# Altium PCB DemoCatV3.PcbDoc (continued)
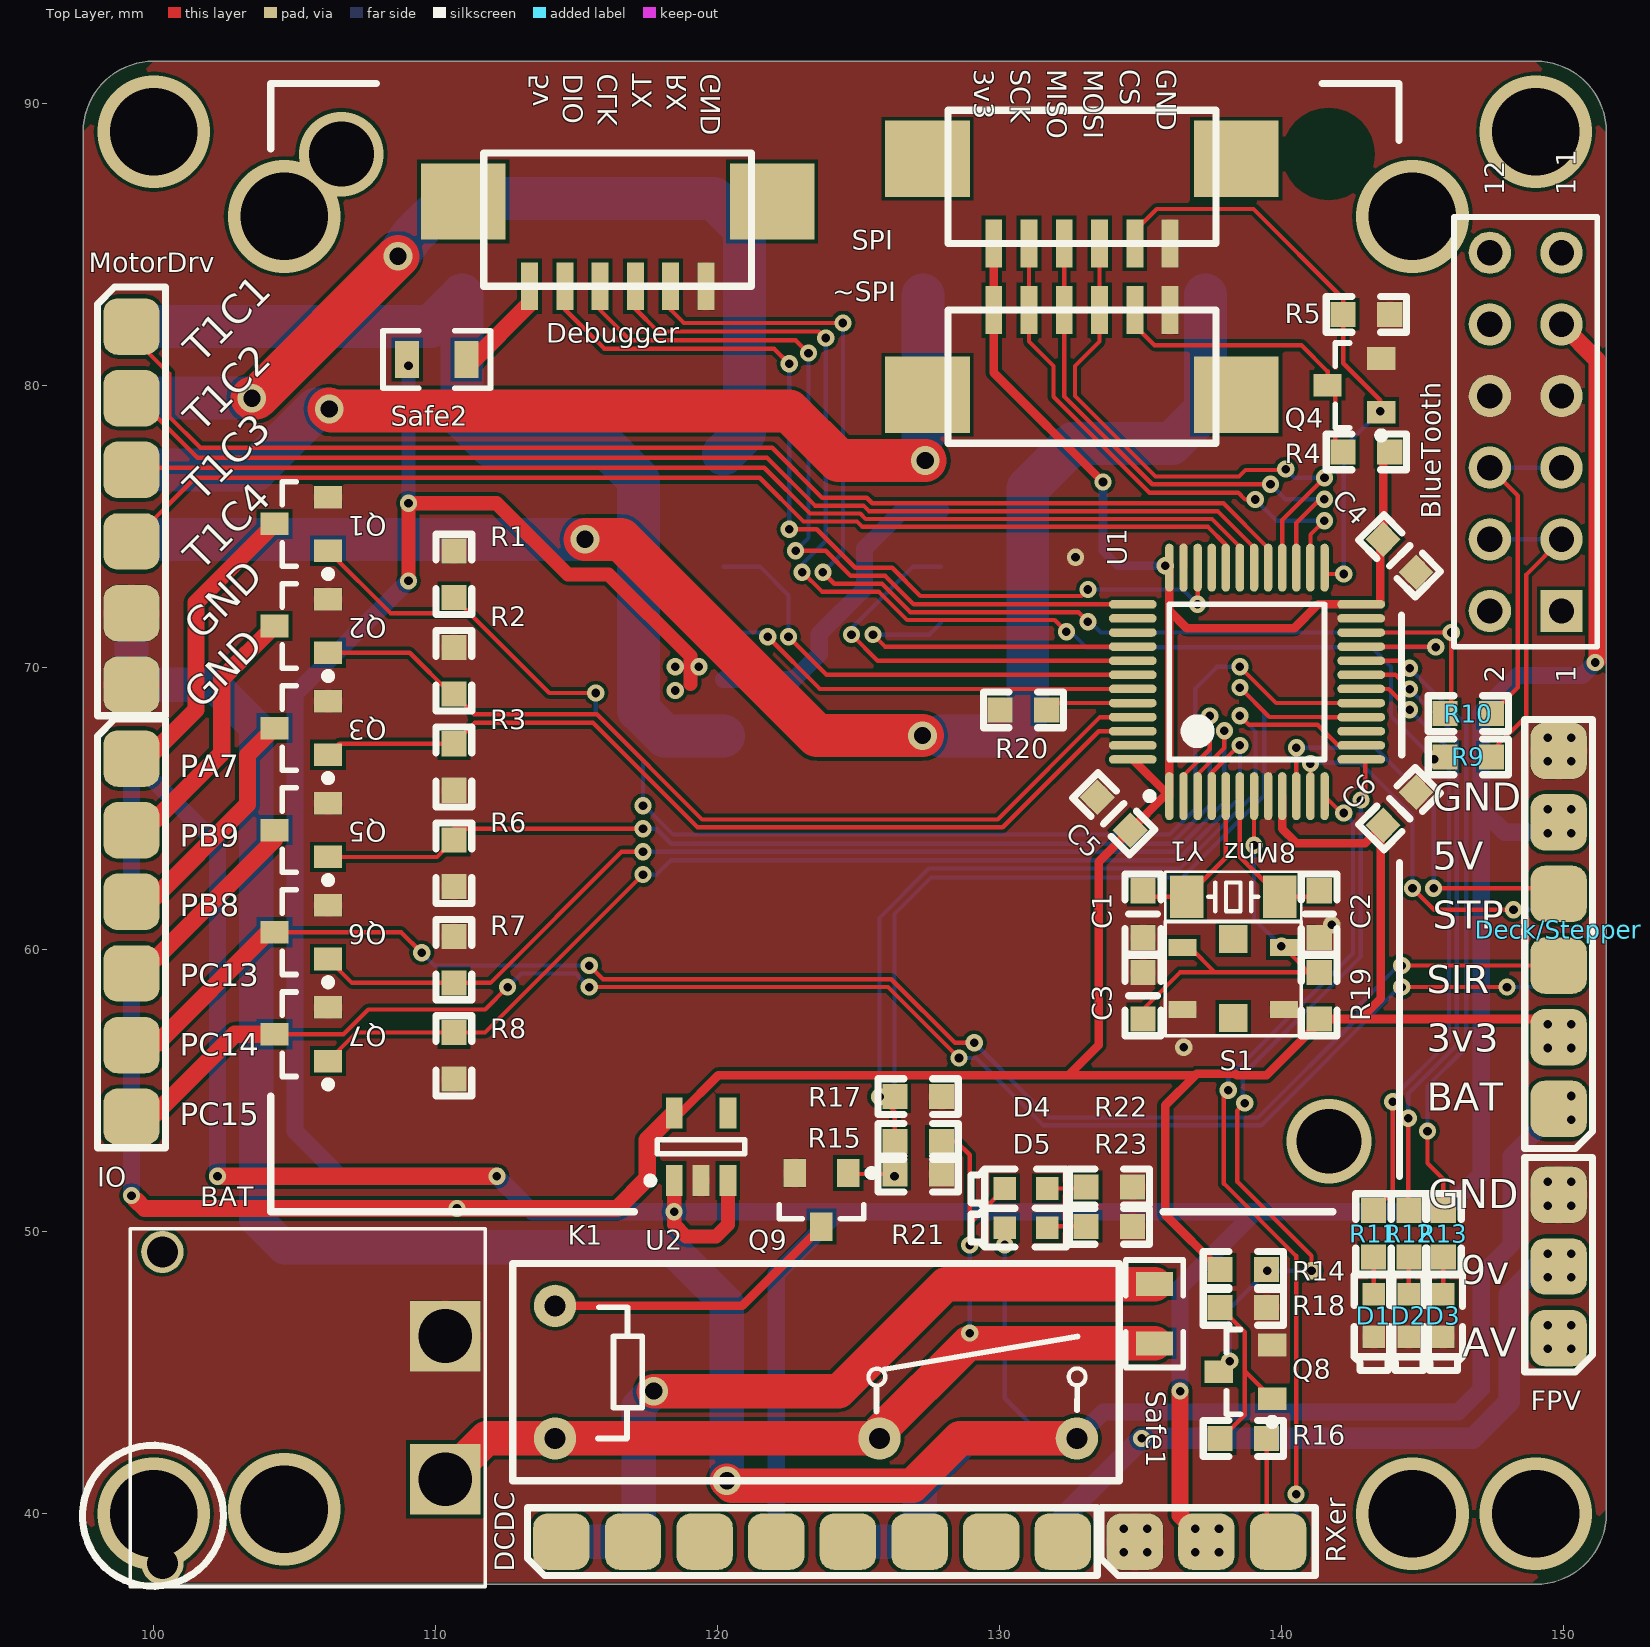
[diagram p0: Top Layer view]
## Footprints (in the part's own frame and the unit in brackets; to place one, negate y for a bottom-side part, rotate by r counter-clockwise, add the part's x,y. Pads: shape width x height; smd on the part's side, far side on the other; paste and mask are expansions set on the pad)
0603C [mil]
  rect 35x35 smd: 1(-32.5,0) 2(32.5,0)
  silkscreen extent -56,-25 56,25, body extent -31,-16 31,15, height 18
"0603LED - Blue" [mm]
  rect 0.8x0.8 smd: 1(-0.762,0) 2(0.738,0)
  silkscreen extent -1.45,-0.69 1.93,0.69, body extent -0.8,-0.4 0.8,0.4, height 0.6
"0603LED - Green" [mm]
  rect 0.8x0.8 smd: 1(-0.762,0) 2(0.738,0)
  silkscreen extent -1.45,-0.69 1.93,0.69, body extent -0.8,-0.4 0.8,0.4, height 0.6
"0603LED - Red" [mm]
  rect 0.8x0.8 smd: 1(-0.762,0) 2(0.738,0)
  silkscreen extent -1.45,-0.69 1.93,0.69, body extent -0.8,-0.4 0.8,0.4, height 0.6
0603R [mil]
  rect 35x35 smd: 1(-32.5,0) 2(32.5,0)
  silkscreen extent -56,-25 56,25, body extent -31,-16 31,16, height 16
0805R [mm] "Chip Resistor, 2-Leads, Body 2.00x1.25mm, IPC Medium Density"
  rect 0.85x1.3 smd: 1(-1.05,0) 2(1.05,0)
  silkscreen extent -1.91,-1.02 1.91,1.02, body extent -1,-0.63 1,0.63, height 0.5
GX1.25_T_6P [mm]
  rect 3x2.7 smd: 0(-5.475,3) 0(5.475,3)
  rect 0.6x1.7 smd: 1(-3.125,0) 2(-1.875,0) 3(-0.625,0) 4(0.625,0) 5(1.875,0) 6(3.125,0)
  silkscreen extent -4.75,0 4.75,4.72, body extent -6.07,-0.58 6.18,4.47, height 3.71
HDR2X6 [mm] "Connector; Header; 6x2 Position"
  rect 1.5x1.5 hole 0.9: 1(0,0)
  round 1.5 hole 0.9: 2(0,2.54) 3(2.54,0) 4(2.54,2.54) 5(5.08,0) 6(5.08,2.54) 7(7.62,0) 8(7.62,2.54) 9(10.16,0) 10(10.16,2.54) 11(12.7,0) 12(12.7,2.54)
  silkscreen extent -1.27,-1.27 13.97,3.81
HDR_EDGE_2x3 [mm]
  rrect50% 2x2 smd: 1(0,0) 2(0,-2.54) 3(0,-5.08)
  rrect50% 2x2 smd far side: 4(0,0) 5(0,-2.54) 6(0,-5.08)
  silkscreen extent -1.2,-6.4 1.2,1.2, body extent -10.37,-6.3 1.17,1.2, height 2.5
HDR_EDGE_2x6 [mm]
  rrect50% 2x2 smd: 1(0,0) 2(0,-2.54) 3(0,-5.08) 4(0,-7.62) 5(0,-10.16) 6(0,-12.7)
  rrect50% 2x2 smd far side: 7(0,0) 8(0,-2.54) 9(0,-5.08) 10(0,-7.62) 11(0,-10.16) 12(0,-12.7)
  silkscreen extent -1.2,-13.8 1.2,1.4, body extent -10.34,-13.7 1.2,1.3, height 2.5
HDR_EDGE_2x8 [mm]
  rrect50% 2x2 smd: 1(0,0) 2(0,-2.54) 3(0,-5.08) 4(0,-7.62) 5(0,-10.16) 6(0,-12.7) 7(0,-15.24) 8(0,-17.78)
  rrect50% 2x2 smd far side: 9(0,0) 10(0,-2.54) 11(0,-5.08) 12(0,-7.62) 13(0,-10.16) 14(0,-12.7) 15(0,-15.24) 16(0,-17.78)
  silkscreen extent -1.2,-19 1.2,1.2, body extent -10.34,-18.8 1.2,1.2, height 2.5
KeySwitch-3X3 [mm]
  rect 1x0.6 smd: 1(-1.8,1.1) 1(1.8,1.1) 2(-1.8,-1.1) 2(1.8,-1.1)
  rect 1x1 smd: 3(0,-1.4) 3(0,1.4)
  silkscreen extent -2.41,-2.03 2.41,2.03, body extent -2.06,-1.65 2.06,1.65, height 1.3
LQFN-48 [mm]
  oval 1.7x0.3 smd: 1(-4.05,2.75) 2(-4.05,2.25) 3(-4.05,1.75) 4(-4.05,1.25) 5(-4.05,0.75) 6(-4.05,0.25) 7(-4.05,-0.25) 8(-4.05,-0.75) 9(-4.05,-1.25) 10(-4.05,-1.75) 11(-4.05,-2.25) 12(-4.05,-2.75) 25(4.05,-2.75) 26(4.05,-2.25) 27(4.05,-1.75) 28(4.05,-1.25) 29(4.05,-0.75) 30(4.05,-0.25) 31(4.05,0.25) 32(4.05,0.75) 33(4.05,1.25) 34(4.05,1.75) 35(4.05,2.25) 36(4.05,2.75)
  oval 0.3x1.7 smd: 13(-2.75,-4.05) 14(-2.25,-4.05) 15(-1.75,-4.05) 16(-1.25,-4.05) 17(-0.75,-4.05) 18(-0.25,-4.05) 19(0.25,-4.05) 20(0.75,-4.05) 21(1.25,-4.05) 22(1.75,-4.05) 23(2.25,-4.05) 24(2.75,-4.05) 37(2.75,4.05) 38(2.25,4.05) 39(1.75,4.05) 40(1.25,4.05) 41(0.75,4.05) 42(0.25,4.05) 43(-0.25,4.05) 44(-0.75,4.05) 45(-1.25,4.05) 46(-1.75,4.05) 47(-2.25,4.05) 48(-2.75,4.05)
  silkscreen extent -4.17,-2.75 2.75,3.57, body extent -4.5,-4.58 4.5,4.42, height 1.6
"OSC 3215-2P" [mm]
  rect 1.2x1.5 smd: 1(-1.65,0) 2(1.65,0)
  silkscreen extent -2.41,-0.89 2.41,0.89, body extent -1.47,-0.76 1.73,0.74, height 0.61
PH-PS-2.0-6 [mm]
  rect 1.2x4 smd: 0(0.8,-1.6) 0(15.2,-1.6)
  rect 1.2x3.5 smd: 1(3,-7.35) 2(5,-7.35) 3(7,-7.35) 4(9,-7.35) 5(11,-7.35) 6(13,-7.35)
  silkscreen extent 0,-6.9 16,0, body extent 0,-8.51 16,-0.18, height 15.3
RY-HF46-HS1 [mm]
  round 1.5 hole 0.75: 2(4.7,18.5) 3(4.7,11.5) 4(0,0) 5(4.7,0)
  silkscreen extent -1.5,-1.5 6.2,20, body extent -1.13,-1.11 5.97,19.39, height 15.3
SOT-23-5 [mm] "SOT23, 5-Leads, Body 2.90x2.80mm, Pitch 0.95mm, IPC Medium Density"
  rect 1.1x0.6 smd: 1(-1.2,0.95) 2(-1.2,0) 3(-1.2,-0.95) 4(1.2,-0.95) 5(1.2,0.95)
  silkscreen extent -1.32,-1.55 0.25,1.92, body extent -1.25,-1.53 1.25,1.47, height 1.05
SOT-23-MOS [mm] "SOT23, 3-Leads, Body 2.90x2.45mm, Pitch 0.95mm, IPC Medium Density"
  rect 1x0.8 smd: 1(0.95,0) 2(-0.95,0.95) 3(-0.95,-0.95)
  silkscreen extent -1.08,-1.5 0.67,1.9, body extent -1.33,-1.47 1.17,1.53, height 1.05
XT30-IN-W [mm]
  round 1.5 hole 1.1: 0(-5.525,10.033) 0(5.524,10.033)
  rect 2.5x2.5 hole 1.9: 1(-2.54,0) 2(2.54,0)
  silkscreen extent -6.35,-1.42 6.35,11.18, body extent -6.62,-0.99 6.68,12.96, height 5

## Part data
BAT: library part "Header 2", "Header, 2-Pin", LatestRevisionDate=17-Jul-2002, LatestRevisionNote="Re-released for DXP Platform.", Publisher="Altium Limited"
BlueTooth Deck/Stepper IO MotorDrv: "Header, 6-Pin, Dual row", LatestRevisionDate=17-Jul-2002, LatestRevisionNote="Re-released for DXP Platform.", Publisher="Altium Limited"
C1 C2 C3 C4 C5 C6: "Capacitor", LatestRevisionDate=17-Jul-2002, LatestRevisionNote="Re-released for DXP Platform.", PackageDescription="Radial Cap, Thru-Hole; 2 Leads; 0.3 in Pin Spacing", PackageReference=RAD-0.3, Published=8-Jun-2000, Publisher="Altium Limited"
D1 D2 D3 D4 D5: "Typical INFRARED GaAs LED", LatestRevisionDate=08-Jul-2005, LatestRevisionNote="Mech Layer 1 removed.", PackageDescription="LED; 2 Leads", PackageReference=LED-0, Published=8-Jun-2000, Publisher="Altium Limited"
DCDC: "Header, 8-Pin, Dual row", LatestRevisionDate=17-Jul-2002, LatestRevisionNote="Re-released for DXP Platform.", Publisher="Altium Limited"
Debugger Motor1 Motor2 Motor3 Motor4 SPI ~SPI: "Header, 6-Pin", LatestRevisionDate=17-Jul-2002, LatestRevisionNote="Re-released for DXP Platform.", Publisher="Altium Limited"
FPV RXer: "Header, 3-Pin, Dual row", LatestRevisionDate=17-Jul-2002, LatestRevisionNote="Re-released for DXP Platform.", Publisher="Altium Limited"
K1: "SPDT Relay", LatestRevisionDate=17-Jul-2002, LatestRevisionNote="Re-released for DXP Platform.", PackageReference=MODULE5B, Published=8-Jun-2000, Publisher="Altium Limited"
Q1 Q2 Q3 Q4 Q5 Q6 Q7 Q8 Q9: library part MOSFET-N, "N-Channel MOSFET", LatestRevisionDate=17-Jul-2002, LatestRevisionNote="Re-released for DXP Platform.", PackageDescription="TO, Flat Index; 3 In-Line, Axial Leads; Body Dia. 4.6mm; Lead Dia. 0.5 mm (max)", PackageReference=E3, PackageVersion=1995/1996, Published=8-Jun-2000, Publisher="Altium Limited"
R1 R2 R3 R4 R5 R6 R7 R8 R9 R10 R14 R15 R16 R17 R18 R20 R21 Safe1 Safe2: "Resistor", LatestRevisionDate=17-Jul-2002, LatestRevisionNote="Re-released for DXP Platform.", PackageDescription="Axial Device, Thru-Hole; 2 Leads; 0.4 in Pin Spacing", PackageReference=AXIAL-0.4, Published=8-Jun-2000, Publisher="Altium Limited"
R11 R12 R13 R19 R22 R23: library part Res2, "Resistor", LatestRevisionDate=17-Jul-2002, LatestRevisionNote="Re-released for DXP Platform.", PackageDescription="Axial Device, Thru-Hole; 2 Leads; 0.4 in Pin Spacing", PackageReference=AXIAL-0.4, Published=8-Jun-2000, Publisher="Altium Limited"
S1: "Switch", LatestRevisionDate=17-Jul-2002, LatestRevisionNote="Re-released for DXP Platform.", PackageDescription="Switch; 2 Leads", PackageReference=SPST-2, Published=24-Mar-1999, Publisher="Altium Limited"
U1: "ARM Cortex-M3 32-bit MCU, 64 KB Flash, 8 KB Internal RAM, 37 I/Os, 48-pin LQFP, -40 to 85 degC, Tray", I/Os (High Current)=37, Operating Frequency(F) (Processor speed) (MHz)=24, Supplier Part Number 1=497-10499-ND, Supply Voltage(Vcc) min (V)=2, A/D Converter="1x12-bit (10 Channel)", ComponentLink1Description="Manufacturer URL", ComponentLink1URL=http://www.st.com/web/en/home.html, ComponentLink2Description=Datasheet, ComponentLink2URL=http://www.st.com/st-web-ui/static/active/en/resource/technical/document/datasheet/CD00251732.pdf, ComponentLink3Description="Package Specification", ComponentLink3URL=http://www.st.com/st-web-ui/static/active/en/resource/technical/document/datasheet/DM00058181.pdf, Core="ARM Cortex-M3", D/A Converter="2x12-bit (2 Channel)", DatasheetVersion="Rev. 7", FLASH Size (Prog) (kB)=64, Internal RAM Size (kB)=8, Mounting Technology="Surface Mount", PackageDescription="48-Pin Low Profile Quad Flat Package, 7 x 7 mm Body, 0.5 mm Pitch", PackageReference=LQFP48, PackageVersion="Rev. 6, 06/2013", Packing=Tray, PartNumber=STM32F100C8T6B, Supplier 1=Digi-Key, Supplier 2=Farnell, Supplier 3=Newark, Supplier 4=Mouser, Supplier Part Number 2=1838511, Supplier Part Number 3=76R0988, Supplier Part Number 4=511-STM32F100C8T6B
U2: library part RT9013, "3.3V 500mA"
Y1: library part XTAL, LatestRevisionDate=17-Jul-2002, LatestRevisionNote="Re-released for DXP Platform.", PackageDescription="Crystal, Thru-Hole; 2 Leads; Body 3.1 x 8.2 mm (Dia.xH)", PackageReference=R38, Published=8-Jun-2000, Publisher="Altium Limited"

## Via types
v1: diameter 0.61, hole 0.305, Top Layer to Bottom Layer, tented both sides, 126 vias
v2: diameter 1.016, hole 0.61, Top Layer to Bottom Layer, tented both sides, 8 vias
v3: diameter 4/1.27 (per signal layer), hole 3.1, Top Layer to Bottom Layer, 4 vias
v4: diameter 4, hole 3.1, Top Layer to Bottom Layer, 4 vias
v5: diameter 3, hole 2.3, Top Layer to Bottom Layer, 2 vias

## Nets (pads, with @x,y where several pads share a name; then routed paths per layer and width w, separated by ;. In a path a pad name is that pad's centre, name@x,y a point inside that pad or via, vN(x,y) a via of type N, cw(c..) or ccw(c..) an arc to the next point about the centre after c; other vN are vias at no path point)
3v3: C4.2 C5.2 C6.2 Deck/Stepper.2 Deck/Stepper.8 IO.10 IO.11 IO.12 R4.2 R14.2 R19.2 SPI.1 U1.1 U1.9 U1.24 U1.36 U1.48 U2.5 ~SPI.6 | length 131.8
  Top Layer w0.305: U2.5 118.679,54.214 120.015,55.55 132.436,55.55 ; SPI.1 ~SPI.6 129.783,80.453 v1(133.655,76.581) ; U1.48 U1.1 ; U1.36 136.01,72.016 ; R14.2 135.865,50.601 135.865,54.483 136.931,55.55 ; U1.9 140.01,64.282 140.513,63.779 142.951,63.779 C6.2@143.51,64.338 ; 142.875,57.544 Deck/Stepper.2@149.161,57.544 ; C4.2@143.485,74.574 143.485,72.244 U1.24 141.282,72.244 140.437,71.399 136.627,71.399 136.01,72.016 ; C6.2 C6.2@143.51,64.338 ; C4.2 143.587,77.413 R4.2 ; 132.436,55.55 136.931,55.55 ; 132.436,55.55 133.502,56.617 133.502,63.12 C5.2 135.827,65.444 U1.1 ; U1.1 136.01,72.016 ; 136.931,55.55 136.982,55.601 138.34,55.601 138.391,55.55 139.457,55.55 141.322,57.415 R19.2 142.775,57.544 143.51,58.279 C6.2@143.51,64.338
  Top Layer w0.61: v1@99.365,51.13 99.67,50.825 v1(110.752,50.825) 116.434,50.825 117.5,51.892 117.5,53.259 U2.5
  Bottom Layer w0.305: v1(133.655,76.581) 133.655,74.143 134.188,73.609 v1(135.865,73.609)
  Bottom Layer w0.61: v1(99.212,51.283) IO.12 IO.11 IO.10
  other v1: 149.417,56.515 150.256,56.515 149.417,57.353 150.256,57.353
5v: BlueTooth.9 DCDC.12 Deck/Stepper.5 Deck/Stepper.11 IO.7 IO.8 IO.9 Motor2.5 Motor4.5 RXer.2 RXer.5 Safe2.1 U2.1 U2.3 | length 195.8
  Top Layer w0.5: v1(109.033,73.076) v1(109.033,75.828) 112.157,75.828 114.681,73.304 116.129,73.304 119.024,70.409 119.024,69.418 ; U2.1 118.455,50.251 118.872,49.835 119.939,49.835 120.355,50.251 U2.3
  Top Layer w0.61: v1(102.26,51.968) v1(112.166,51.968) ; v1(136.388,44.348) 136.388,39.949 RXer.2 ; BlueTooth.9 151.181,80.899 151.181,70.256 v1(151.105,70.18)
  Bottom Layer w0.5: v1(109.033,75.828) v1(109.033,80.696)
  Bottom Layer w0.61: IO.9 IO.8 IO.7 102.26,63.729 v1(102.26,51.968) ; v1(109.033,73.076) 105.004,69.047 105.004,53.569 106.604,51.968 v1(112.166,51.968) 113.428,50.707 v1(118.449,50.707) 124.282,50.707 ; Motor4.5 122.697,69.581 123.596,70.481 123.596,71.196 125.197,72.796 125.197,74.219 126.559,75.581 Motor2.5 ; DCDC.12 122.072,48.497 124.282,50.707 ; v1(136.388,44.348) 136.388,48.03 139.065,50.707 ; 147.18,64.884 147.904,64.16 Deck/Stepper.11@149.454,64.16 ; v1(151.105,70.18) 150.647,69.723 148.361,69.723 147.066,68.428 147.066,52.045 145.728,50.707 139.065,50.707 ; 124.282,50.707 139.065,50.707
  other v1: 136.931,38.633 137.77,38.633 136.931,39.472 137.77,39.472 149.417,64.135 150.256,64.135 149.417,64.973 150.256,64.973 118.491,69.19 118.491,70.028 119.329,70.028
9v: DCDC.16 FPV.2 FPV.5 | length 24.4
  Bottom Layer w0.762: DCDC.16 132.232,39.878 v1(135.026,42.672) 146.761,42.672 148.057,43.967 148.057,47.777 149.047,48.768 FPV.5
  other v1: 149.417,48.387 150.256,48.387 149.417,49.225 150.256,49.225
ADC1_4: R15.1 R17.2 U1.14 | length 31
  Top Layer w0.152: v1(125.73,54.788) 126.276,54.242 R15.1 ; v1(138.51,68.291) 138.831,67.97 141.27,67.97 141.996,67.244 U1.14
  Bottom Layer w0.152: v1(125.73,54.788) 125.73,61.127 127.478,62.875 136.388,62.875 139.065,65.552 139.065,67.736 v1(138.51,68.291)
AV: FPV.1 FPV.4
  other v1: 149.417,45.847 150.256,45.847 149.417,46.685 150.256,46.685
Drv_BAT: D5.2 DCDC.13 DCDC.14 Deck/Stepper.1 Deck/Stepper.7 K1.2 MotorDrv.11 MotorDrv.12 | length 107.4
  Top Layer w0.152: v1@130.174,49.606 D5.2
  Top Layer w1.219: v2(120.32,41.172) 120.496,40.996 126.9,40.996 128.576,42.672 K1.2
  Bottom Layer w0.152: v1@130.174,49.606 v1(130.174,49.53) 130.174,44.096 131.597,42.672
  Bottom Layer w0.61: K1.2 133.67,43.612 146.253,43.612 147.066,44.425 147.066,48.463 148.133,49.53 148.133,52.68 Deck/Stepper.7
  Bottom Layer w1.219: MotorDrv.11 MotorDrv.12 102.133,69.393 103.632,67.894 103.632,50.444 104.623,49.454 118.339,49.454 120.32,47.473 v2(120.32,41.172) ; DCDC.13 DCDC.14 127.152,41.046 128.778,42.672 131.597,42.672 K1.2
  other v1: 150.256,53.975 150.256,54.813
Drv_EN: Q9.2 R21.2 U1.16 | length 34.7
  Top Layer w0.152: Q9.2 124.654,52.049 R21.2@126.263,52.049 ; v1(138.51,69.291) 139.552,68.25 141.386,68.25 141.391,68.244 U1.16
  Bottom Layer w0.152: v1(126.263,51.968) 126.263,61.265 127.559,62.56 136.469,62.56 139.37,65.461 139.37,68.432 v1(138.51,69.291)
GND: BAT.2 BlueTooth.7 BlueTooth.8 C1.1 C2.1 C3.1 C4.1 C5.1 C6.1 D1.2 D2.2 D3.2 DCDC.11 DCDC.15 Debugger.6 Deck/Stepper.6 Deck/Stepper.12 FPV.3 FPV.6 Motor2.2 Motor4.2 MotorDrv.5 MotorDrv.6 Q1.3 Q2.3 Q3.3 Q4.3 Q5.3 Q6.3 Q7.3 Q8.3 Q9.3 R1.1 R2.1 R3.1 R5.1 R6.1 R7.1 R8.1 R17.1 R18.1 R20.1 R21.1 R22.1 R23.1 RXer.1 RXer.4 S1.2 SPI.6 U1.8 U1.23 U1.35 U1.47 U2.2 ~SPI.1
  other v1: 134.391,38.633 135.23,38.633 134.391,39.472 135.23,39.472 149.417,50.927 150.256,50.927 149.417,51.765 150.256,51.765 136.518,56.54 141.766,60.884 149.417,66.675 150.256,66.675 149.417,67.513 150.256,67.513 132.681,73.914
MH1: Motor1.1 Motor2.1 MotorDrv.10 | length 53.9
  Top Layer w1.524: v2(115.291,74.549) 116.561,74.549 123.52,67.589 v2(127.254,67.589)
  Bottom Layer w1.524: MotorDrv.10 99.289,74.549 v2(115.291,74.549) ; Motor2.1 130.218,67.581 130.988,68.351 130.988,76.352 132.588,77.953 136.093,77.953 137.282,79.142 Motor1.1
MH2: Motor3.6 Motor4.6 MotorDrv.7 | length 35.2
  Bottom Layer w1.524: MotorDrv.7 109.82,82.093 Motor3.6 110.938,78.876 111.938,77.876 115.976,77.876 117.196,76.657 117.196,68.504 118.118,67.581 Motor4.6
ML1: Motor1.6 Motor2.6 MotorDrv.9 | length 34.8
  Top Layer w1.524: v2(106.223,79.172) 106.299,79.096 122.53,79.096 124.282,77.343 v2(127.354,77.343)
  Bottom Layer w1.524: MotorDrv.9 103.607,77.013 105.766,79.172 v2(106.223,79.172) ; 127.282,78.204 Motor1.6
ML2: Motor3.1 Motor4.1 MotorDrv.8 | length 33.5
  Top Layer w1.524: v2(103.48,79.553) 103.632,79.553 v2(108.661,84.582)
  Bottom Layer w1.524: MotorDrv.8 v2(103.48,79.553) ; v2(108.661,84.582) 109.118,85.268 110.49,86.639 119.851,86.639 120.938,85.553 Motor3.1 120.938,78.317 Motor4.1
NetC1_2: C1.2 U1.5 Y1.2 | length 5.8
  Top Layer w0.152: C1.2 135.289,61.875 Y1.2 138.01,63.262 U1.5
NetC2_2: C2.2 U1.6 Y1.1 | length 5.6
  Top Layer w0.152: U1.6 138.502,65.436 138.502,63.297 Y1.1 141.107,61.875 C2.2
NetC3_2: C3.2 R19.1 S1.1 U1.7 | length 15.6
  Top Layer w0.152: C3.2 135.073,57.883 136.385,59.195 137.63,59.195 ; S1.1@136.474,60.079 136.746,60.079 137.63,59.195 ; v1(139.01,63.703) U1.7 ; S1.1@140.074,60.079 R19.1@140.958,59.195 ; R19.1 R19.1@140.958,59.195 ; 137.63,59.195 R19.1@140.958,59.195
  Bottom Layer w0.152: v1(139.01,63.703) 139.01,61.091 v1(139.979,60.122)
NetD1_1: D1.1 R11.2 | length 1.3
  Top Layer w0.152: D1.1 R11.2
NetD2_1: D2.1 R12.2 | length 1.3
  Top Layer w0.152: D2.1 R12.2
NetD3_1: D3.1 R13.2 | length 1.3
  Top Layer w0.152: D3.1 R13.2
NetD4_1: D4.1 R22.2 | length 1.4
  Top Layer w0.152: D4.1 133.007,51.533 R22.2
NetD5_1: D5.1 R23.2 | length 1.4
  Top Layer w0.152: D5.1 131.724,50.19 R23.2
NetDCDC_9: DCDC.9 DCDC.10 Safe1.2 | length 27.5
  Top Layer w1.219: v2(117.729,44.348) 124.282,44.348 128.075,48.142 Safe1.2
  Bottom Layer w1.219: DCDC.9 DCDC.10 117.196,39.218 117.196,43.815 v2(117.729,44.348)
NetDebugger_1: Debugger.1 Safe2.2 | length 3.6
  Top Layer w0.61: Safe2.2@111.235,80.809 113.324,82.897 Debugger.1
NetK1_4: K1.4 Q9.1 | length 10.6
  Top Layer w0.305: K1.4 120.864,47.372 Q9.1
NetQ8_2: Q8.2 R16.1 R18.2 | length 6.8
  Top Layer w0.152: R16.1 137.854,42.672 138.681,43.499 138.681,45.061 ; R18.2 138.681,46.446 138.681,45.061 ; Q8.2 138.681,45.061
NetR11_1: R11.1 U1.18 | length 21.5
  Top Layer w0.152: U1.18 143.785,69.244 v1(144.526,68.504) ; R11.1 143.932,51.43 v1(143.932,54.61)
  Bottom Layer w0.152: v1(143.932,54.61) 143.861,54.681 145.923,56.743 145.923,67.107 v1(144.526,68.504)
NetR12_1: R12.1 U1.19 | length 21.8
  Top Layer w0.152: U1.19 144.022,69.744 v1(144.526,69.24) ; v1(144.475,54.026) 144.475,50.775 R12.1
  Bottom Layer w0.152: v1(144.475,54.026) 144.475,54.9 146.202,56.627 146.202,67.564 v1(144.526,69.24)
NetR13_1: R13.1 U1.20 | length 22.7
  Top Layer w0.152: U1.20 144.259,70.244 v1(144.526,69.977) ; v1(145.161,53.569) 145.161,52.426 145.72,51.867 R13.1
  Bottom Layer w0.152: v1(144.526,69.977) 146.533,67.97 146.533,56.54 145.161,55.169 v1(145.161,53.569)
NetR20_2: R20.2 U1.44 | length 3.5
  Top Layer w0.152: R20.2@131.432,68.244 131.932,68.744 U1.44
PA7: Q1.2 R1.2 U1.17 | length 48.4
  Top Layer w0.152: Q1.2 108.395,71.933 111.188,71.933 ; R1.2 111.188,71.933 ; v1(115.672,69.101) 114.021,69.101 111.188,71.933 ; v1(138.51,70.028) 139.794,68.744 U1.17
  Bottom Layer w0.152: v1(115.672,69.101) 115.672,68.389 117.348,66.713 v1@117.348,65.151 ; v1(117.348,65.1) v1@117.348,65.151 ; v1(138.51,70.028) 137.693,70.028 136.93,69.264 136.93,68.076 136.931,68.074 136.931,64.999 136.017,64.084 118.415,64.084 v1@117.348,65.151
PB8: Q2.2 R2.2 U1.45 | length 32.5
  Top Layer w0.152: Q2.2 109.077,70.527 110.538,69.065 R2.2 111.356,68.351 115.71,68.351 119.444,64.618 129.921,64.618 133.548,68.244 U1.45
PB9: Q3.2 R3.2 U1.46 | length 31.9
  Top Layer w0.152: Q3.2 106.577,67.302 R3.2 111.387,68.047 115.574,68.047 119.282,64.338 130.099,64.338 133.505,67.744 U1.46
PC13: Q5.2 R6.2 U1.2 | length 39.1
  Top Layer w0.152: Q5.2 110.043,63.289 R6.2 110.642,64.287 v1(117.348,64.287) ; U1.2 136.51,66.178 137.438,67.105 v1(137.438,68.286)
  Bottom Layer w0.152: v1(117.348,64.287) 117.816,64.287 118.35,63.754 136.082,63.754 137.438,65.11 v1(137.438,68.286)
PC14: Q6.2 R7.2 U1.3 | length 39.7
  Top Layer w0.152: Q6.2 107.029,58.824 R7.2 111.935,58.824 116.586,63.475 v1(117.348,63.475) ; U1.3 137.01,66.214 137.959,67.162 v1(137.959,67.765)
  Bottom Layer w0.152: 117.685,63.475 136.198,63.475 137.959,65.235 v1(137.959,67.765)
PC15: Q7.2 R8.2 U1.4 | length 40.3
  Top Layer w0.152: Q7.2 107.192,57.061 R8.2 111.747,57.061 v1(117.348,62.662) ; U1.4 137.51,66.275 v1@138.479,67.244
  Bottom Layer w0.152: v1(117.348,62.662) 117.831,62.662 118.339,63.17 136.288,63.17 138.51,65.392 v1(138.51,67.244)
Rx: BlueTooth.5 BlueTooth.6 R10.1 | length 12.1
  Top Layer w0.152: BlueTooth.6 148.361,76.098 148.361,69.295 R10.1
  Bottom Layer w0.152: BlueTooth.6 BlueTooth.5
SBUS: R16.2 RXer.3 | length 3.8
  Top Layer w0.152: R16.2 139.457,39.421 RXer.3
SPI_CS: Q4.2 R5.2 SPI.5 U1.25 | length 21.2
  Top Layer w0.152: SPI.5 134.783,85.482 135.56,86.258 138.989,86.258 142.17,83.077 R5.2 142.17,80.791 143.485,79.477 v1(143.485,79.096) ; U1.25 141.51,73.321 v1(142.189,73.321)
  Bottom Layer w0.152: v1(142.189,73.321) 142.189,77.8 v1(143.485,79.096)
SPI_MISO: SPI.3 U1.27 ~SPI.4 | length 19.1
  Top Layer w0.152: SPI.3 ~SPI.4 132.283,79.615 135.399,76.499 v1(139.593,76.499) ; U1.27 140.51,75.131 141.427,76.048 v1(141.503,75.971)
  Bottom Layer w0.152: v1(139.593,76.499) 140.121,75.971 v1(141.503,75.971)
SPI_MOSI: SPI.4 U1.28 ~SPI.3 | length 19.8
  Top Layer w0.152: SPI.4 ~SPI.3 133.533,81.565 132.664,80.696 132.664,79.629 135.514,76.779 138.479,76.779 138.708,77.007 140.101,77.007 v1(140.132,77.038) ; U1.28 140.01,75.233 v1(141.51,76.733)
  Bottom Layer w0.152: v1(140.132,77.038) 140.437,76.733 v1(141.51,76.733)
SPI_SCK: SPI.2 U1.26 ~SPI.5 | length 19.1
  Top Layer w0.152: SPI.2 ~SPI.5 131.033,81.565 131.902,80.696 131.902,79.601 135.303,76.2 138.455,76.2 138.695,75.961 v1(139.054,75.961) ; U1.26 141.01,74.716 v1(141.503,75.209)
  Bottom Layer w0.152: v1(139.054,75.961) 139.805,75.209 v1(141.503,75.209)
SW1: IO.1 Q1.1 | length 10.7
  Top Layer w0.61: IO.1 99.771,66.777 101.498,68.504 101.498,72.312 Q1.1
SW2: IO.2 Q2.1 | length 9.6
  Top Layer w0.61: IO.2 99.681,64.237 102.413,66.969 102.413,69.607 Q2.1
SW3: IO.3 Q3.1 | length 8.8
  Top Layer w0.61: IO.3 99.873,61.697 103.327,65.151 103.327,66.903 Q3.1 Q3.1@104.113,67.858
SW4: IO.4 Q5.1 | length 7.4
  Top Layer w0.61: IO.4 99.543,59.157 104.282,63.896 Q5.1
SW5: Deck/Stepper.3 IO.5 Q6.1 | length 57.4
  Top Layer w0.152: Q6.1 108.772,60.62 v1(109.499,59.893) ; v1(115.443,59.436) 115.926,58.953 126.151,58.953 128.406,56.698 v1(129.088,56.698) ; v1(144.247,59.436) Deck/Stepper.3
  Top Layer w0.61: IO.5 100.051,56.617 104.054,60.62 Q6.1
  Bottom Layer w0.152: v1(109.499,59.893) 109.957,59.436 v1(115.443,59.436) ; v1(129.088,56.698) 131.735,54.051 139.152,54.051 142.708,57.607 142.708,58.007 144.138,59.436 v1(144.247,59.436)
SW6: Deck/Stepper.9 IO.6 Q7.1 | length 57.4
  Top Layer w0.152: Q7.1 106.727,57.002 107.608,57.883 111.756,57.883 v1(112.547,58.674) ; v1(115.443,58.674) 126.035,58.674 v1(128.549,56.159) ; v1(144.247,58.674) v1(147.98,58.674)
  Top Layer w0.61: IO.6 99.949,54.077 102.874,57.002 Q7.1
  Bottom Layer w0.152: v1(112.547,58.674) 113.03,59.157 114.96,59.157 v1(115.443,58.674) ; v1(128.549,56.159) 129.159,56.159 131.547,53.772 139.268,53.772 144.17,58.674 v1(144.247,58.674) v1@144.323,58.674 ; v1(147.98,58.674) 149.047,58.674 Deck/Stepper.9
SWCLK: Debugger.3 U1.37 | length 28.8
  Top Layer w0.152: Debugger.3 115.824,82.677 116.891,81.61 122.758,81.61 v1(123.215,81.153) ; v1(122.758,74.143) 123.825,74.143 124.714,73.254 125.933,73.254 126.942,72.244 U1.37
  Bottom Layer w0.152: v1(122.758,74.143) 123.215,74.6 v1(123.215,81.153)
SWDIO: Debugger.2 U1.34 | length 32.7
  Top Layer w0.152: Debugger.2 114.574,82.708 115.976,81.305 121.996,81.305 v1(122.53,80.772) ; v1(122.53,74.905) 123.505,74.905 124.871,73.539 126.182,73.539 127.178,72.542 132.893,72.542 v1(133.121,72.771) ; v1(137.008,72.244) 137.01,72.247 U1.34
  Bottom Layer w0.152: v1@122.53,74.676 v1(122.53,74.905) v1(122.53,80.772) ; v1(133.121,72.771) 136.481,72.771 v1(137.008,72.244)
T1C1: MotorDrv.1 U1.29 | length 45.3
  Top Layer w0.152: MotorDrv.1 99.212,81.763 100.546,80.429 100.546,78.905 101.657,77.794 121.926,77.794 123.698,76.022 125.279,76.022 125.472,75.828 137.926,75.828 139.51,74.244 U1.29
T1C2: MotorDrv.2 U1.30 | length 42.7
  Top Layer w0.152: MotorDrv.2 99.441,79.553 101.553,77.441 121.746,77.441 123.444,75.743 125.163,75.743 125.357,75.549 137.721,75.549 139.01,74.259 U1.30
T1C3: MotorDrv.3 U1.31 | length 41.2
  Top Layer w0.152: MotorDrv.3 99.287,77.087 121.643,77.087 123.266,75.463 125.047,75.463 125.241,75.27 137.517,75.27 138.51,74.276 U1.31
T1C4: MotorDrv.4 U1.32 | length 41.5
  Top Layer w0.152: MotorDrv.4 101.473,76.733 121.487,76.733 123.036,75.184 124.931,75.184 125.125,74.99 137.376,74.99 138.01,74.356 U1.32
T2C1: Deck/Stepper.4 U1.10 | length 14.5
  Top Layer w0.152: U1.10 140.502,65.452 140.502,66.809 140.51,66.817 ; v1(145.378,62.179) 149.606,62.179 Deck/Stepper.4
  Bottom Layer w0.152: v1(140.513,67.162) 143.296,67.162 145.378,65.081 v1(145.378,62.179)
T2C2: Deck/Stepper.10 U1.11 | length 13.9
  Top Layer w0.152: U1.11 v1(141.01,66.599) ; v1(144.628,62.179) 145.39,61.417 v1(148.209,61.417)
  Bottom Layer w0.152: v1(141.01,66.599) 141.043,66.632 142.766,66.632 144.628,64.77 v1(144.628,62.179) ; v1(148.209,61.417) 149.25,61.417 Deck/Stepper.10
T3CH1: Motor2.3 U1.40 | length 12
  Top Layer w0.152: v1(125.501,71.171) 125.928,70.744 U1.40
  Bottom Layer w0.152: v1(125.501,71.171) 127.494,71.171 Motor2.3
T3CH2: Motor2.4 U1.41 | length 14.7
  Top Layer w0.152: v1(124.739,71.171) 125.666,70.244 U1.41
  Bottom Layer w0.152: v1(124.739,71.171) 124.739,71.399 126.921,73.581 Motor2.4
T4CH1: Motor4.3 U1.42 | length 17
  Top Layer w0.152: v1(122.504,71.095) 123.854,69.744 U1.42
  Bottom Layer w0.152: Motor4.3 121.491,73.581 122.504,72.568 v1(122.504,71.095)
T4CH2: Motor4.4 U1.43 | length 15.3
  Top Layer w0.152: v1(121.768,71.095) 123.618,69.244 U1.43
  Bottom Layer w0.152: Motor4.4 120.537,71.247 Motor4.4@121.691,71.247
Tx: BlueTooth.3 BlueTooth.4 R9.1 | length 11.3
  Top Layer w0.152: R9.1 147.434,67.043 148.666,68.275 148.666,73.304 BlueTooth.3
  Bottom Layer w0.152: BlueTooth.4 BlueTooth.3
U2RX: Q8.1 R14.1 U1.13 | length 26.6
  Top Layer w0.152: v1(138.684,54.559) 138.419,54.294 138.419,51.777 141.046,49.149 v1(141.046,48.616) ; v1(142.799,65.303) 142.958,65.463 142.958,66.744 U1.13
  Bottom Layer w0.152: v1(138.151,45.415) 138.151,47.284 v1(139.482,48.616) v1(141.046,48.616) ; v1(138.684,54.559) 138.608,54.635 138.608,55.568 142.799,59.759 v1(142.799,65.303)
U2TX: RXer.6 U1.12 | length 30.1
  Top Layer w0.152: v1(138.098,55.016) 137.941,54.86 137.941,51.705 140.502,49.145 v1(140.502,40.691) ; U1.12 142.108,64.846 v1(142.189,64.846)
  Bottom Layer w0.152: v1(138.098,55.016) 138.098,55.454 142.519,59.875 142.519,64.516 v1(142.189,64.846) ; RXer.6 140.502,39.653 v1(140.502,40.691)
U3RX: Debugger.5 R10.2 U1.22 | length 45.6
  Top Layer w0.152: Debugger.5 118.324,82.692 118.796,82.22 v1(124.435,82.22) ; v1(123.723,73.381) 124.13,72.974 125.817,72.974 126.827,71.965 132.784,71.965 v1(133.121,71.628) ; U1.22 v1(145.999,71.244) 145.999,68.584 R10.2
  Bottom Layer w0.152: v1(123.723,73.381) 124.435,74.092 v1(124.435,82.22) ; v1(133.121,71.628) 133.198,71.628 133.579,71.247 144.932,71.247 144.935,71.244 v1(145.999,71.244)
U3TX: Debugger.4 R9.2 U1.21 | length 47.8
  Top Layer w0.152: Debugger.4 117.074,82.722 117.881,81.915 123.596,81.915 v1(123.825,81.686) ; v1(122.987,73.381) 123.005,73.381 123.691,72.695 125.702,72.695 126.711,71.686 131.946,71.686 v1(132.359,71.272) v1@132.436,71.272 ; U1.21 144.704,70.744 144.709,70.739 145.44,70.739 v1(145.453,70.726)
  Bottom Layer w0.152: v1(122.987,73.381) 122.987,73.653 123.825,74.491 v1(123.825,81.686) ; v1(132.359,71.272) v1@132.436,71.272 ; v1@132.448,71.336 133.058,70.726 143.167,70.726 ; v1(145.39,66.751) 143.866,68.275 143.866,70.028 143.167,70.726 ; v1(145.453,70.726) 143.167,70.726
VBAT: BAT.1 D4.2 K1.3 K1.5 R15.2 Safe1.1 | length 36.6
  Top Layer w0.152: R15.2 128.463,53.198 128.93,52.73 128.93,50.289 ; v1(128.93,49.53) 128.93,50.289 ; D4.2 128.93,50.289
  Top Layer w1.219: BAT.1 111.788,42.672 K1.5 K1.3 125.73,42.901 128.871,46.042 Safe1.1
  Bottom Layer w0.152: v1(128.93,46.406) v1(128.93,49.53)
~SPI_CS: Q4.1 R4.1 ~SPI.2 | length 11.1
  Top Layer w0.152: ~SPI.2 134.783,82.13 135.484,81.43 140.693,81.43 141.62,80.503 Q4.1 141.895,79.735 141.895,77.923 R4.1
pads on no net: BAT.0 BlueTooth.1 BlueTooth.2 BlueTooth.10 BlueTooth.11 BlueTooth.12 DCDC.1 DCDC.2 DCDC.3 DCDC.4 DCDC.5 DCDC.6 DCDC.7 DCDC.8 Debugger.0 Motor1.0 Motor1.2 Motor1.3 Motor1.4 Motor1.5 Motor2.0 Motor3.0 Motor3.2 Motor3.3 Motor3.4 Motor3.5 Motor4.0 S1.3 SPI.0 U1.15 U1.33 U1.38 U1.39 U2.4 ~SPI.0
copper on no net:
  other v3: 100,40 149,40 100,89 149,89
  other v4: 144.628,40 104.628,40.162 104.628,86 144.628,86
  other v5: 141.67,53.207 106.651,88.207

## Polygon pours and split planes (outlines as drawn)
GND on Bottom Layer "Bottom Layer-GND" (solid, pour order 0): 100,91.5 97.5,89 97.5,39.912 100,37.412 148.75,37.412 151.5,40.162 151.5,88.96 148.96,91.5
GND on Top Layer "Top Layer-GND" (solid, pour order 4): 100,91.5 97.5,89 97.5,39.812 99.898,37.414 100.051,37.567 148.895,37.567 151.49,40.162 151.5,40.162 151.5,88.96 148.96,91.5

## Other copper
Bottom Layer:
  region net 9v: 135.026,42.672

## Silkscreen, mask and mechanical layers (free items; w line width, h text height)
Top Overlay:
  circle w0.254: c99.974,39.929 r2.5
  lines w0.254: 104.151,54.813 104.151,50.707 117.043,50.707 ; 104.151,88.392 104.151,90.707 107.899,90.707 ; 135.788,50.707 141.808,50.707 ; 141.427,90.707 144.151,90.707 144.151,88.697 ; 144.17,51.968 144.17,63.094 ; 144.237,71.858 144.247,66.904
  text "3v3" at 129.083,91.211 h0.7 r270
  text "SCK" at 130.378,91.211 h0.7 r270
  text "MISO" at 131.674,91.211 h0.7 r270
  text "MOSI" at 132.969,91.211 h0.7 r270
  text "CS" at 134.264,91.211 h0.7 r270
  text "GND" at 135.56,91.211 h0.7 r270
  text "5v" at 113.995,91.059 h0.7 r90
  text "DIO" at 115.214,91.059 h0.7 r90
  text "CLK" at 116.434,91.059 h0.7 r90
  text "TX" at 117.653,91.059 h0.7 r90
  text "RX" at 118.872,91.059 h0.7 r90
  text "GND" at 120.091,91.059 h0.7 r90
  text "T1C1" at 101.68,80.747 h1.02 r45
  text "T1C2" at 101.68,78.29 h1.02 r45
  text "T1C3" at 101.68,75.833 h1.02 r45
  text "T1C4" at 101.68,73.376 h1.02 r45
  text "GND" at 101.68,70.919 h1.02 r45
  text "GND" at 101.68,68.462 h1.02 r45
  text "PA7" at 100.931,66.115 h0.8
  text "GND" at 145.341,64.926 h1
  text "PB9" at 100.931,63.647 h0.8
  text "5V" at 145.341,62.838 h1
  text "PB8" at 100.931,61.178 h0.8
  text "STP" at 145.341,60.75 h1
  text "PC13" at 100.931,58.709 h0.8
  text "SIR" at 145.141,58.462 h1
  text "3v3" at 145.141,56.374 h1
  text "PC14" at 100.931,56.24 h0.8
  text "BAT" at 145.141,54.286 h1
  text "PC15" at 100.931,53.771 h0.8
  text "GND" at 145.186,50.832 h1.02
  text "9v" at 146.355,48.142 h1.02
  text "AV" at 146.406,45.568 h1.02
Bottom Overlay:
  text "5V" at 147.025,45.949 h0.7
  text "SBUS" at 147.025,43.205 h0.7
  text "EN" at 114.932,40.974 h0.7 r90
  text "VIN" at 117.454,40.974 h0.7 r90
  text "GND" at 119.977,40.974 h0.7 r90
  text "9V" at 122.499,40.974 h0.7 r90
  text "EN" at 125.021,40.974 h0.7 r90
  text "VIN" at 127.543,40.974 h0.7 r90
  text "GND" at 130.066,40.974 h0.7 r90
  text "5V" at 132.588,40.974 h0.7 r90
  text "Tx" at 135.661,40.821 h0.7 r90
  text "5V" at 138.303,40.821 h0.7 r90
  text "GND" at 140.741,40.821 h0.7 r90
Top Solder:
  text "2020/04/10" at 119.405,62.547 h1.02
  text "By TJ@Meow" at 119.253,60.128 h1.02
Drill Drawing:
  lines w0.254: 97.5,40 ccw(c100,40) 100,37.5 ; 97.5,40 ccw(c100,40) 100,37.5 ; 97.5,40 97.5,89 ; 97.5,89 cw(c100,89) 100,91.5 ; 97.5,89 cw(c100,89) 100,91.5 ; 100,37.5 149,37.5 ; 100,91.5 149,91.5 ; 149,37.5 ccw(c149,40) 151.5,40 ; 149,37.5 ccw(c149,40) 151.5,40 ; 149,91.5 cw(c149,89) 151.5,89 ; 149,91.5 cw(c149,89) 151.5,89 ; 151.5,40 151.5,89

## Text inside footprints (layer, text, board x,y; h text height)
BlueTooth: Top Overlay "2" at 147.879,69.469 h0.7 r90; Top Overlay "1" at 150.419,69.469 h0.7 r90; Top Overlay "1" at 150.419,86.741 h0.7 r90; Top Overlay "1" at 150.419,87.757 h0.7 r90; Top Overlay "12" at 147.879,86.741 h0.7 r90